# KiCad board fpgaboard.kicad_pcb (continued)
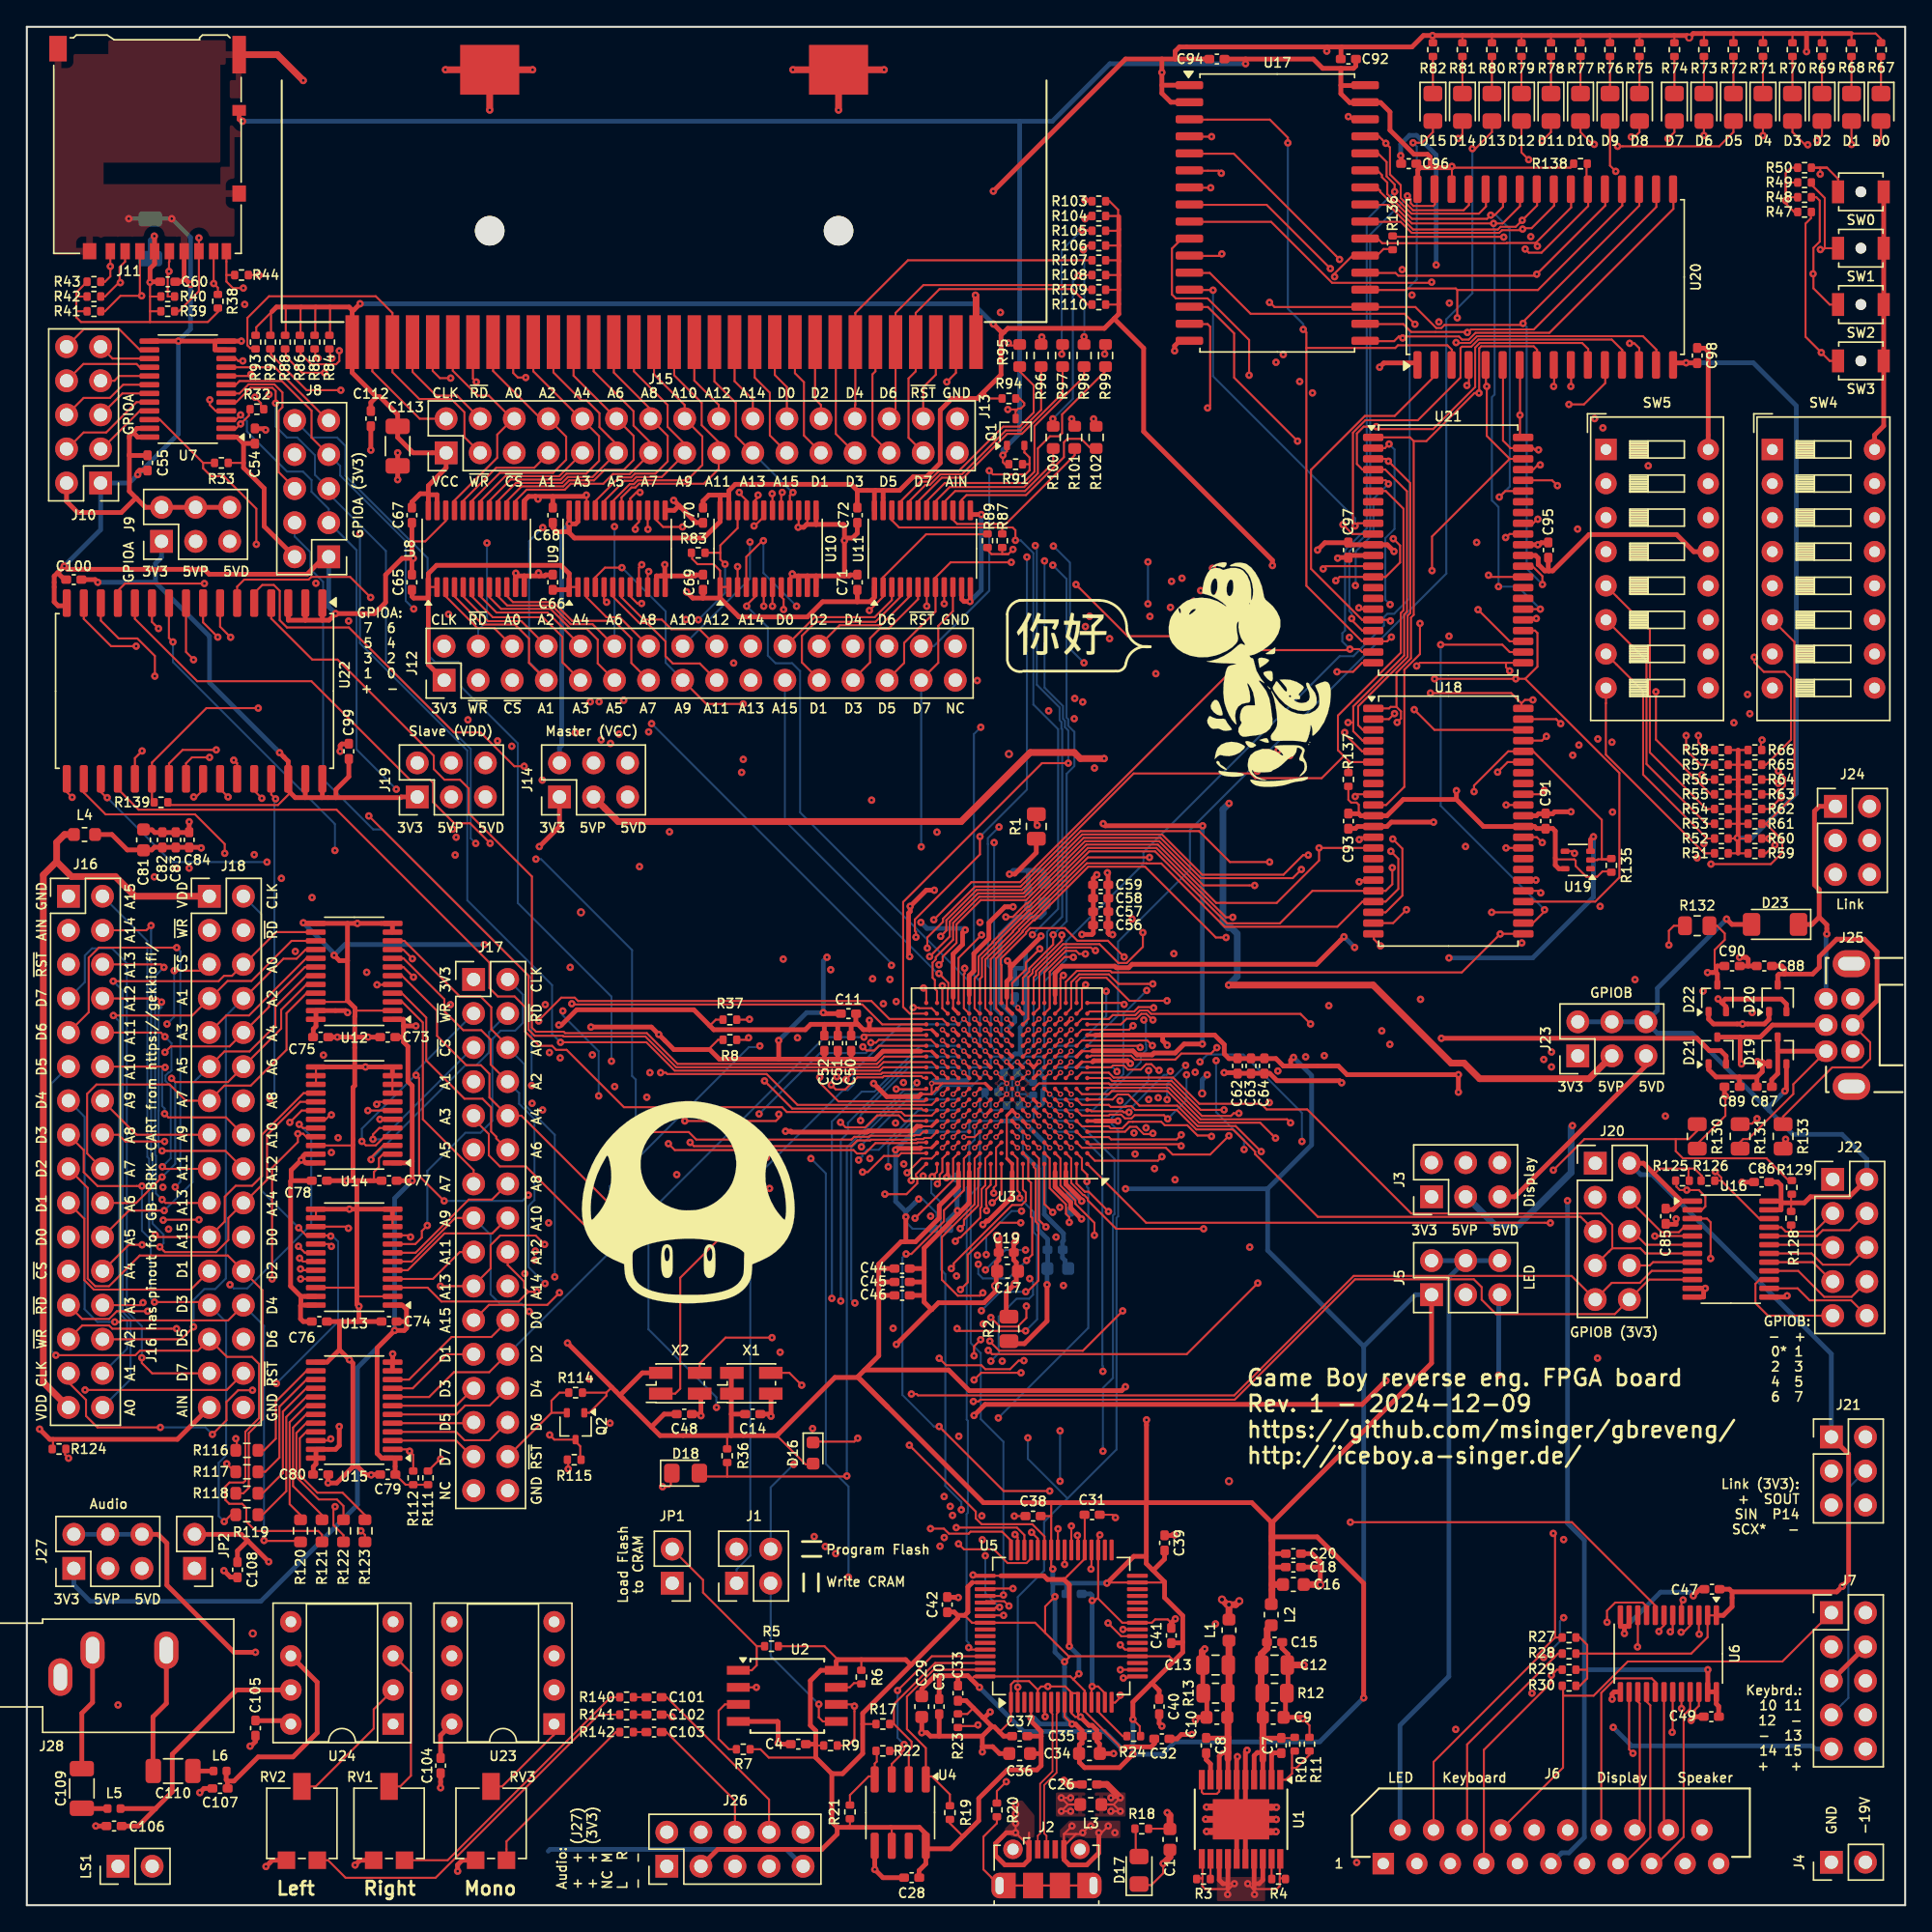
[diagram p0: board, top side]
## Routing (per net, layer and track width the routed paths; a pad name or vN(x,y) marks a point on that pad's centre or on a via; arc(x,y) is an arc through that point) (continued)
/Bank3: LEDs, Switches/LED1: length 107.4
  Top w0.15: 136,132.9 v1(136,131.23) ; U3.R1 79.2,66.61 82.53,66.61 82.86,66.94 83.93,66.94 v1(83.99,66.89)
  In1.Cu w0.15: v1(128.42,88.81) 128.42,89.58 128.7,89.86 128.7,90.49 128.3,90.9 128.3,105.91 129.62,107.23 131.65,107.23 136,111.58 v1(136,131.23)
  In2.Cu w0.15: v1(83.99,66.89) 90.46,66.89 97.46,73.89 97.68,73.89 101.89,78.1 104.34,78.1 112.46,86.22 113.76,86.22 116.35,88.81 v1(128.42,88.81)
/Bank3: LEDs, Switches/LED2: length 96.7
  Top w0.15: 133.8,132.9 133.8,131.91 v1(133.42,131.53) ; v3(76.24,64.45) U3.M5
  In2.Cu w0.15: v1(133.42,131.53) 133.42,131.15 133.01,130.73 132.28,130.73 129.85,128.3 129.85,125.19 114.13,109.47 114.13,106.85 113.61,106.32 113.32,106.04 113.32,100.87 111.75,99.29 109.68,97.22 109.68,94.39 101.54,86.25 97.5,86.25 83.62,72.37 83.62,72.27 83.07,71.72 83.07,71.11 81.85,69.88 81.21,69.88 79.34,68.01 78.2,68.01 76.64,66.45 76.64,64.85 v3(76.24,64.45)
/Bank3: LEDs, Switches/LED3: length 118.7
  Top w0.15: 131.6,132.9 131.6,132.15 132.54,131.21 v1(132.74,131.21) ; U3.P2 78.64,66.05 80.64,66.05 80.93,66.34 82.62,66.34 82.96,66.68 83.55,66.68 83.8,66.43 94.93,66.43 94.98,66.38 v1(95.68,65.68)
  In1.Cu w0.15: v1(132.74,131.21) 134.17,129.78 134.17,121.84 127.79,115.47 127.79,88.67 127.99,88.47 127.99,80.92 124.66,77.59 124.66,68.41 v1(124.94,68.14)
  In2.Cu w0.15: v1(95.68,65.68) 96.32,65.68 98.77,68.14 v1(124.94,68.14)
/Bank3: LEDs, Switches/LED4: length 95.6
  Top w0.15: v1(129.4,131.9) 129.4,132.9 ; U3.M4 v3(77.04,64.45)
  In1.Cu w0.15: v1(129.4,131.9) 120.85,123.35 v1(120.85,107.28)
  In2.Cu w0.15: v3(77.04,64.45) 77.44,64.85 78.24,64.85 84.08,70.69 84.08,71.27 98.06,85.24 102.05,85.24 110.69,93.88 110.69,96.81 114.33,100.45 114.33,104.38 117.23,107.28 v1(120.85,107.28)
/Bank3: LEDs, Switches/LED5: length 101.8
  Top w0.15: 127.2,132.9 127.2,132.15 126.15,131.1 v1(118.57,131.1) ; U3.P1 81.55,65.65 81.97,66.07 82.71,66.07 83.07,66.43 83.44,66.43 83.71,66.17 83.89,65.98 v1(83.93,65.98)
  In1.Cu w0.15: v1(115.68,86.47) 115.14,87.02 115.14,104.46 115.79,105.12 115.79,128.32 v1(118.57,131.1)
  In2.Cu w0.15: v1(115.68,86.47) 114.5,86.47 113.99,85.97 112.65,85.97 103.56,76.87 101.06,76.87 97.82,73.64 97.57,73.64 90.11,66.18 84.19,66.18 83.93,65.92 v1(83.93,65.98)
/Bank3: LEDs, Switches/LED6: length 90.6
  Top w0.15: v1(125,131.9) 125,132.9 ; U3.N3 v3(77.84,65.25)
  In1.Cu w0.15: v1(117.47,110.11) 117.47,124.37 v1(125,131.9)
  In2.Cu w0.15: v3(77.84,65.25) 78.29,65.25 83.83,70.79 83.83,71.37 97.95,85.49 101.94,85.49 110.44,93.99 110.44,96.91 114.08,100.55 114.08,104.81 115.7,106.42 115.7,108.72 117.08,110.11 v1(117.47,110.11)
/Bank3: LEDs, Switches/LED7: length 92.6
  Top w0.15: U3.L5 v3(76.24,63.65) ; v1(122.32,131.67) 122.8,132.15 122.8,132.9
  In1.Cu w0.15: v1(116.85,110.8) 117.21,111.16 117.21,126.56 v1(122.32,131.67)
  In2.Cu w0.15: v1(116.85,110.8) 114.89,108.84 114.89,105.98 113.83,104.91 113.83,100.66 110.19,97.01 110.19,94.09 101.84,85.74 97.85,85.74 83.58,71.48 83.58,70.9 81.07,68.39 80.73,68.39 v1(80.46,68.12)
  Bottom w0.15: v1(80.46,68.12) 80.46,66.27 78.24,64.05 76.64,64.05 v3(76.24,63.65)
/Bank3: LEDs, Switches/LED8: length 89.3
  Top w0.15: 120.2,132.9 120.2,132.15 119.84,131.79 v1(119.59,131.79) ; U3.M3 v3(77.84,64.45)
  In1.Cu w0.15: v1(115.59,102.57) 115.59,104.56 116.05,105.02 116.05,127.75 119.59,131.29 v1(119.59,131.79)
  In2.Cu w0.15: v1(115.59,102.57) 115.59,100.84 113.41,98.67 113.41,98.25 110.94,95.78 110.94,93.78 102.15,84.99 98.16,84.99 84.33,71.16 84.33,70.59 78.2,64.45 v3(77.84,64.45)
/Bank3: LEDs, Switches/LED9: length 91.6
  Top w0.15: v1(118.43,129.23) 118,129.66 118,132.9 ; U3.M6 v3(75.44,64.45)
  In2.Cu w0.15: v3(75.44,64.45) 75.84,64.85 75.84,66.45 79.52,70.13 80.15,70.13 83.11,73.09 83.78,73.09 97.19,86.5 101.44,86.5 106.14,91.21 109.43,94.5 109.43,97.33 113.07,100.97 113.07,106.15 113.88,106.96 113.88,109.64 120.02,115.78 120.02,127.64 v1(118.43,129.23)
/Bank3: LEDs, Switches/LED10: length 94.4
  Top w0.15: 115.8,132.9 115.8,132.15 116.71,131.24 v1(116.83,131.24) ; v1(82.45,65.55) 82.15,65.25 78.64,65.25 U3.N2
  In1.Cu w0.15: v1(116.83,131.24) 115.53,129.95 115.53,105.22 114.88,104.57 114.88,86.06 v1(115.22,85.71)
  In2.Cu w0.15: v1(115.22,85.71) 112.76,85.71 103.66,76.62 101.16,76.62 97.93,73.39 97.67,73.39 90.21,65.93 84.57,65.93 84.38,65.74 84.18,65.53 83.28,65.53 83.18,65.42 82.58,65.42 v1(82.45,65.55)
/Bank3: LEDs, Switches/LED11: length 92.7
  Top w0.15: U3.L7 v3(74.64,63.65) ; 113.6,132.9 113.6,132.15 112.94,131.49 v1(112.94,131.49)
  In2.Cu w0.15: v1(75.16,101.34) 75.44,101.61 101.23,127.4 101.23,127.63 105.73,132.13 112.3,132.13 v1(112.94,131.49)
  Bottom w0.15: v1(75.16,101.34) 75.28,101.22 75.28,90.97 76.98,89.27 76.98,88.32 77.12,88.18 77.12,87.7 77.17,87.65 77.17,73.67 76.04,72.54 76.04,69.85 75.04,68.85 75.04,64.05 v3(74.64,63.65)
/Bank3: LEDs, Switches/LED12: length 99.6
  Top w0.15: 111.4,132.9 111.4,130.64 v1(111.94,130.1) ; U3.M2 78.64,64.45 83.51,64.45 v1(83.89,64.07)
  In1.Cu w0.15: v1(112.09,124.36) 111.7,124.36 110.84,123.5 110.84,110.87 111.18,110.54 111.18,94.58 111.43,94.33 v1(111.43,71.72)
  In2.Cu w0.15: v1(111.43,71.72) 109.86,70.15 97.37,70.15 91.57,64.35 89.01,64.35 88.95,64.41 88.53,64.41 87.77,63.65 87.22,63.65 87.14,63.57 84.39,63.57 v1(83.89,64.07) ; v1(112.09,124.36) 112.09,129.56 111.94,129.71 v1(111.94,130.1)
/Bank3: LEDs, Switches/LED13: length 85.3
  Top w0.15: 109.2,132.9 109.2,132.15 107.97,130.92 v1(107.74,130.92) ; v3(76.24,62.85) U3.K5
  Bottom w0.15: v1(107.74,130.92) 107.74,120.15 105.8,118.2 105.8,99.25 86.69,80.14 86.69,77.17 81.33,71.82 81.33,66.34 78.24,63.25 76.64,63.25 v3(76.24,62.85)
/Bank3: LEDs, Switches/LED14: length 93.5
  Top w0.15: U3.L3 v3(77.84,63.65) ; v1(106.68,131.67) 107,131.99 107,132.9
  In1.Cu w0.15: v1(103.24,120.01) 103.51,120.28 103.51,128.5 v1(106.68,131.67) ; v1(105.24,118) 105.24,105.34 107.23,103.36 v1(107.23,78.91)
  In2.Cu w0.15: v3(77.84,63.65) 80.64,63.65 81.91,64.92 82.95,64.92 83.21,65.17 83.28,65.17 83.39,65.28 84.28,65.28 84.68,65.67 90.32,65.67 97.78,73.14 98.03,73.14 101.26,76.37 104.69,76.37 v1(107.23,78.91) ; v1(103.24,120.01) v1(105.24,118)
/Bank3: LEDs, Switches/LED15: length 83.7
  Top w0.15: 104.8,132.9 104.8,132.15 104.01,131.36 v1(103.32,131.36) ; U3.L6 v3(75.44,63.65)
  Bottom w0.15: v1(103.32,131.36) 103.59,131.09 103.59,121.16 103.32,120.88 102.79,120.35 102.79,117.58 103.06,117.3 103.06,97.41 101.91,96.25 101.4,96.25 101.15,96 101.15,95.36 98.88,93.09 97.85,93.09 83.22,78.47 83.22,77.6 77.46,71.83 77.46,70.47 75.84,68.85 75.84,64.05 v3(75.44,63.65)
/Bank3: LEDs, Switches/SW0: length 110.7
  Top w0.15: U3.M1 82.87,64.05 v1(82.99,63.93) ; SW0.1 135,128.67 134.17,129.5 ; 133.64,129.5 133.14,129.5 ; 133.64,129.5 133.67,129.47 v1(133.67,129.02) ; 133.64,129.5 134.17,129.5 ; 133.14,129.5 132.95,129.5 ; 133.14,129.5 134.17,129.5
  In1.Cu w0.15: v1(124.99,79.12) 126.62,80.75 126.62,121.44 133.67,128.49 v1(133.67,129.02)
  In2.Cu w0.15: 84.92,64.64 84.92,64.64 ; 84.92,64.64 84.92,64.64 84.8,64.52 83.7,64.52 83.59,64.41 83.52,64.41 83.04,63.93 v1(82.99,63.93) ; 84.92,64.64 88.3,64.64 88.32,64.66 91.52,64.66 101.66,74.8 116.56,74.8 120.88,79.12 v1(124.99,79.12)
/Bank3: LEDs, Switches/SW1: length 106.6
  Top w0.15: U3.K4 v3(77.04,62.85) ; 134.01,123.5 134.01,127.24 132.95,128.3 132.95,128.4 ; 134.01,123.5 SW1.1 ; 134.01,123.5 133.91,123.4 v1(133.68,123.4)
  In1.Cu w0.15: v1(133.68,123.4) 127.23,116.95 v1(127.23,88.13)
  In2.Cu w0.15: v3(77.04,62.85) 77.44,63.25 80.64,63.25 82.05,64.66 83.06,64.66 83.31,64.92 83.38,64.92 83.49,65.03 84.51,65.03 84.64,65.16 90.16,65.16 97.88,72.88 98.14,72.88 101.37,76.12 106.87,76.12 116.61,85.85 116.61,87.09 117.64,88.13 v1(127.23,88.13)
/Bank3: LEDs, Switches/SW2: length 109.3
  Top w0.15: SW2.1 134.37,119.3 133.16,120.51 133.16,121.79 ; v1(133.13,121.59) 133.13,121.76 133.16,121.79 ; 133.16,121.79 133.16,123.52 133.63,123.99 133.63,127.04 133.38,127.3 132.95,127.3 ; v1(88.7,63.91) 88.26,63.47 86.05,63.47 85.6,63.03 82.6,63.03 82.31,63.32 79.34,63.32 79.27,63.25 U3.L1
  In1.Cu w0.15: v1(133.13,121.59) 127.52,115.97 127.52,88.59 127.74,88.37 127.74,81.21 124.86,78.33 124.76,78.33 v1(124.49,78.05)
  In2.Cu w0.15: v1(88.7,63.91) 91.49,63.91 97.48,69.9 112.02,69.9 120.18,78.05 v1(124.49,78.05)
/Bank3: LEDs, Switches/SW3: length 95.1
  Top w0.15: SW3.1 134.37,115.1 v1(133.75,115.72) 132.57,116.9 132.57,125.33 132.98,125.74 132.98,126.17 132.95,126.2 ; U3.L4 v3(77.04,63.65)
  In2.Cu w0.15: v1(133.75,115.72) 129.95,115.72 122.49,108.26 122.49,106.32 118.26,102.1 117.2,102.1 113.67,98.57 113.67,96.15 102.26,84.74 98.26,84.74 84.58,71.06 84.58,70.48 82.6,68.5 82.6,67.25 79.4,64.05 77.44,64.05 v3(77.04,63.65)
/Cartridge Master Slot/X_M_AIN: length 9.3
  Top w0.15: J15.31 69.25,114.21 v1(68.57,113.53)
  In1.Cu w0.15: J13.31 68.03,109.57 68.03,112.99 v1(68.57,113.53)
/Cartridge Master Slot/X_MA0: length 16.9
  Top w0.15: 35.82,110.79 35.82,111.13 34.44,112.51 33.6,112.51 31.75,114.36 J15.6 ; 35.82,110.79 35.82,110.36 35.06,109.6 35.06,107.89 31.88,104.7 31.88,103.95 ; 35.82,110.79 J13.6
/Cartridge Master Slot/X_MA1: length 20.4
  Top w0.15: J15.7 33.25,113.78 v1(33.5,113.53) ; J13.7 38.87,108.19 37.82,107.14 34.98,107.14 32.53,104.68 32.53,103.95
  In2.Cu w0.15: J13.7 37.62,109.5 37.62,111.46 35.55,113.53 v1(33.5,113.53)
/Cartridge Master Slot/X_MA2: length 20.4
  Top w0.15: J15.8 34.75,114.35 38.31,110.79 J13.8 38.87,110.78 40.2,109.46 40.2,107.73 39.22,106.76 35.26,106.76 33.17,104.68 33.17,103.95
/Cartridge Master Slot/X_MA3: length 20.8
  Top w0.15: J15.9 36.25,114.2 36.59,113.86 v1(37.19,113.86) ; 33.83,103.95 33.83,104.68 35.66,106.51 39.67,106.51 41.41,108.24 J13.9
  In1.Cu w0.15: v1(37.19,113.86) 37.58,113.86 40.19,111.24 40.19,109.47 J13.9
/Cartridge Master Slot/X_MA4: length 21.1
  Top w0.15: 34.47,103.95 34.47,104.68 36.05,106.26 39.78,106.26 40.22,106.7 41.7,106.7 42.65,107.65 42.65,109.49 41.41,110.73 J13.10 41.28,110.79 37.75,114.32 J15.10
/Cartridge Master Slot/X_MA5: length 22.1
  Top w0.15: 43.95,108.89 43.95,108.23 42.17,106.45 40.33,106.45 39.88,106 36.45,106 35.12,104.68 35.12,103.95 ; 43.95,108.89 J13.11 ; 43.95,108.89 42.68,110.16 42.68,111.2 41.73,112.15 41.35,112.15 39.25,114.25 J15.11
/Cartridge Master Slot/X_MA6: length 22.1
  Top w0.15: 35.78,103.95 35.78,104.65 36.88,105.75 39.99,105.75 40.43,106.2 42.28,106.2 43.06,106.98 44.49,106.98 45.23,107.72 45.23,109.51 J13.12 43.95,110.8 40.75,114 J15.12
/Cartridge Master Slot/X_MA7: length 22.8
  Top w0.15: 46.49,108.76 46.49,108.22 44.94,106.67 43.69,106.67 42.97,105.95 40.54,105.95 40.09,105.5 37.25,105.5 36.42,104.68 36.42,103.95 ; 46.49,108.76 J13.13 ; 46.49,108.76 46.49,109.01 45.22,110.28 45.22,111.35 42.25,114.32 J15.13
/Cartridge Master Slot/X_MA8: length 17.9
  Top w0.15: 42.38,103.95 42.38,104.65 44.14,106.42 45.04,106.42 45.32,106.7 46.85,106.7 47.76,107.61 47.76,109.52 J13.14 46.49,111.49 43.75,114.23 J15.14
/Cartridge Master Slot/X_MA9: length 18.6
  Top w0.15: 43.03,103.95 43.03,104.65 44.54,106.17 45.15,106.17 45.43,106.45 47.33,106.45 49.03,108.15 49.03,108.76 ; J13.15 49.03,108.76 ; 49.03,108.76 49.03,108.92 47.76,110.19 47.76,111.81 45.25,114.32 J15.15
/Cartridge Master Slot/X_MA10: length 19.1
  Top w0.15: 43.67,103.95 43.67,104.65 44.94,105.91 45.25,105.91 45.53,106.2 49.2,106.2 50.35,107.34 50.35,109.47 J13.16 49.03,111.82 46.75,114.1 J15.16
/Cartridge Master Slot/X_MA11: length 19.9
  Top w0.15: J15.17 48.25,114.03 50.3,111.98 50.3,110.31 51.57,109.04 J13.17 51.57,107.05 50.47,105.95 45.64,105.95 45.35,105.66 45.06,105.66 44.33,104.92 44.33,103.95
/Cartridge Master Slot/X_MA12: length 17.5
  Top w0.15: v1(45.7,105.3) 45.43,105.3 44.97,104.84 44.97,103.95 ; J13.18 51.57,111.82 49.75,113.64 J15.18
  In2.Cu w0.15: J13.18 51.57,110.74 50.33,109.5 50.33,107.72 48.71,106.1 46.5,106.1 v1(45.7,105.3)
/Cartridge Master Slot/X_MA13: length 55.1
  Top w0.15: J15.19 51.25,113.57 52.84,111.98 52.84,109.5 54.09,108.25 J13.19 ; 56.88,103.95 56.88,105.08 v1(57.1,105.3) ; v1(22.19,114.21) 20.52,114.21 19.3,115.44 19.3,116.05
  In2.Cu w0.15: v1(22.19,114.21) 23.14,114.21 24.05,113.3 31.82,113.3 32.57,114.05 36.2,114.05 36.89,113.37 50.74,113.37 52.83,111.28 52.83,109.53 J13.19
  Bottom w0.15: v1(57.1,105.3) 56.97,105.43 56.93,105.43 J13.19
/Cartridge Master Slot/X_MA14: length 51.5
  Top w0.15: v1(23.29,115.86) 23.29,115.09 23.05,114.85 21.2,114.85 20.4,115.65 20.4,116.05 ; J13.20 54.11,112.23 52.75,113.59 J15.20 ; v1(56.3,105.3) 56.22,105.22 56.22,103.95
  In2.Cu w0.15: v1(23.29,115.86) 49.04,115.86 J13.20 54.96,109.94 54.96,109.45 55.39,109.02 55.39,106.21 v1(56.3,105.3)
/Cartridge Master Slot/X_MA15: length 54.7
  Top w0.15: J13.21 56.65,108.28 55.38,109.55 55.38,112.73 54.25,113.86 J15.21 ; v1(55.55,105.2) 55.58,105.18 55.58,103.95 ; v1(21.7,115.3) 21.5,115.5 21.5,116.05
  In1.Cu w0.15: J13.21 56.64,108.25 55.55,107.16 v1(55.55,105.2)
  In2.Cu w0.15: v1(21.7,115.3) 21.7,115.32 22.7,116.31 50.55,116.31 55.43,111.43 55.43,109.47 J13.21
/Cartridge Master Slot/X_MCLK: length 32.5
  Top w0.15: v1(45.35,102.55) 45.35,102.83 45.62,103.11 45.62,103.95 ; J13.2 29.28,110.79 25.75,114.32 J15.2
  In2.Cu w0.15: J13.2 31.25,110.79 29.86,109.4 29.86,107.22 34.86,102.23 45.03,102.23 v1(45.35,102.55)
/Cartridge Master Slot/X_MD0: length 39.5
  Top w0.15: 79.45,127 79.07,127 78.99,127.08 v1(78.85,127.08) ; J13.22 56.65,113.15 55.75,114.05 J15.22 ; v1(73.16,116.44) 73.19,116.44 73.37,116.25 74,116.25
  In2.Cu w0.15: v1(78.85,127.08) 73.16,121.39 v1(73.16,116.44) 62.29,116.44 56.65,110.8 J13.22
/Cartridge Master Slot/X_MD1: length 44.3
  Top w0.15: J15.23 57.25,114.19 57.92,113.52 57.92,109.54 59.19,108.27 J13.23 ; 75.6,116.25 75.6,116.68 75.65,116.73 v1(75.65,116.88) ; v1(78.87,125.69) 79.07,125.9 79.45,125.9
  In2.Cu w0.15: v1(78.87,125.69) 78.77,125.69 75.65,122.57 v1(75.65,116.88) 74.62,115.86 62.33,115.86 57.94,111.46 57.94,109.5 J13.23
/Cartridge Master Slot/X_MD2: length 37.2
  Top w0.15: v1(77.14,115.61) 77.2,115.67 77.2,116.25 ; v1(78.63,124.84) 79.03,124.84 79.07,124.8 79.45,124.8 ; J13.24 59.19,111.82 58.75,112.26 J15.24
  In2.Cu w0.15: J13.24 59.19,110.83 63.97,115.61 v1(77.14,115.61)
  Bottom w0.15: v1(77.14,115.61) 77.14,123.35 v1(78.63,124.84)
/Cartridge Master Slot/X_MD3: length 41.5
  Top w0.15: v1(78.75,123.38) 79.07,123.7 79.45,123.7 ; J13.25 61.71,108.25 60.3,109.66 60.3,116.45 J15.25 ; v1(78.8,116.9) 78.8,116.25
  In2.Cu w0.15: J13.25 60.47,109.51 60.47,111.59 61.84,112.96 75.25,112.96 78.8,116.51 v1(78.8,116.9)
  Bottom w0.15: v1(78.8,116.9) 78.82,116.92 78.82,123.31 v1(78.75,123.38)
/Cartridge Master Slot/X_MD4: length 48.5
  Top w0.15: v1(80.33,115.61) 80.4,115.68 80.4,116.25 ; 79.45,122.6 65.67,122.6 61.75,118.68 J15.26 61.75,111.84 61.73,111.82 J13.26
  In2.Cu w0.15: J13.26 61.73,110.83 63.51,112.61 77.34,112.61 v1(80.33,115.61)
/Cartridge Master Slot/X_MD5: length 35.3
  Top w0.15: J13.27 64.27,108.27 63.03,109.51 63.03,114.1 63.25,114.32 J15.27 ; 76.5,110.15 76.5,110.76 v1(76.47,110.79) ; 79.45,121.5 78.42,121.5 v1(78.37,121.45)
  In2.Cu w0.15: J13.27 65.67,109.65 75.33,109.65 v1(76.47,110.79)
  Bottom w0.15: v1(76.47,110.79) 77.96,112.28 77.96,121.05 v1(78.37,121.45)
/Cartridge Master Slot/X_MD6: length 39.4
  Top w0.15: J13.28 64.27,111.06 64.75,111.54 J15.28 64.75,118.68 66.83,120.75 78.72,120.75 79.07,120.4 79.45,120.4 ; v1(77.88,110.78) 78.08,110.58 78.1,110.58 78.1,110.15
  In2.Cu w0.15: v1(77.88,110.78) 76.37,112.29 65.77,112.29 J13.28
/Cartridge Master Slot/X_MD7: length 40
  Top w0.15: 79.45,119.3 79.07,119.3 77.92,120.45 68.03,120.45 66.25,118.68 J15.29 66.25,114.32 65.72,113.79 65.72,109.37 66.81,108.28 J13.29 ; v1(79.51,110.78) 79.7,110.59 79.7,110.15
  In2.Cu w0.15: v1(79.51,110.78) 78.13,109.4 67.91,109.4 66.81,108.29 J13.29
/Cartridge Master Slot/X_~{MCS}: length 47.7
  Top w0.15: 22.6,116.05 22.6,115.44 v1(22.74,115.3) ; 54.92,103.95 54.92,103.48 54.24,102.8 v1(54.2,102.8) ; v1(31.59,113.82) 30.79,113.82 30.25,114.36 J15.5
  In1.Cu w0.15: J13.5 35.09,109.49 35.09,111.16 32.43,113.82 v1(31.59,113.82)
  In2.Cu w0.15: v1(54.2,102.8) 55,103.6 55,105.39 54.79,105.6 54.3,105.6 52.64,103.94 40.59,103.94 36.33,108.2 J13.5 ; v1(31.59,113.82) 24.22,113.82 v1(22.74,115.3)
/Cartridge Master Slot/X_~{MRD}: length 51.4
  Top w0.15: 18.2,116.05 18.2,115.57 20.86,112.92 v1(23.4,112.92) ; J15.4 28.75,114.28 30.52,112.51 32.07,112.51 J13.4 ; v1(53.1,105.3) 53.1,105.24 53.62,104.71 53.62,103.95
  In2.Cu w0.15: v1(53.1,105.3) 51.99,104.19 41.16,104.19 37.61,107.75 37.61,108.8 36.87,109.54 35.09,109.54 33.84,110.79 J13.4 31.66,112.92 v1(23.4,112.92)
/Cartridge Master Slot/X_~{MRST}: length 16.2
  Top w0.15: J13.30 66.81,113.14 67.75,114.08 J15.30 ; 73.79,111.45 73.76,111.48 v1(73.12,111.48) ; 73.79,111.45 73.89,111.55 74.09,111.55 74.34,111.8 74.34,111.96 74,112.3 73.65,112.3 ; 73.79,111.45 73.7,111.36 Q1.3
  In2.Cu w0.15: J13.30 68.05,112.03 72.56,112.03 v1(73.12,111.48)
/Cartridge Master Slot/X_~{MWR}: length 54.3
  Top w0.15: v1(54.5,105.1) 54.44,105.04 54.44,104.87 54.28,104.71 54.28,103.95 ; J13.3 32.62,109.42 32.62,111.28 31.63,112.26 29.25,112.26 27.25,114.26 J15.3 27.25,118.68 26.01,119.92 18.05,119.92 16.44,118.31 16.44,116.26 16.65,116.05 17.1,116.05
  In2.Cu w0.15: J13.3 33.79,107.22 37.32,103.69 53.09,103.69 v1(54.5,105.1)
/Cartridge Slave Slot/X_S_AIN: length 52.7
  Top w0.15: 1.95,34 1.95,34.72
  Top w0.35: v1(0.95,35.48) 1.71,34.72 11.22,34.72 J18.31
  In2.Cu w0.35: v1(0.95,35.48) 0.95,70.51 J16.3
/Cartridge Slave Slot/X_SA0: length 49.8
  Top w0.15: 21.55,72.53 18.58,72.53 16.18,70.12 J18.6 15.29,69.27 14.7,69.27 14.3,68.87 v1(6.44,68.87)
  Bottom w0.15: J16.32 7.73,39.19 7.73,43.63 7.14,44.23 7.14,68.17 v1(6.44,68.87)
/Cartridge Slave Slot/X_SA1: length 45.3
  Top w0.15: v1(6.45,66.31) 12.33,66.31 J18.7 13.66,67.58 14.96,68.88 16.74,68.88 19.73,71.88 21.55,71.88
  Bottom w0.15: v1(6.45,66.31) 6.89,65.87 6.89,44.12 7.48,43.53 7.48,41.48 J16.30
/Cartridge Slave Slot/X_SA2: length 40.6
  Top w0.15: J18.8 16.16,67.58 19.13,70.54 20.1,70.54 20.79,71.22 21.55,71.22 ; J16.28 11.5,42.18 v1(12.43,43.1)
  Bottom w0.15: J18.8 14.83,66.27 14.83,46.71 14.04,45.92 13.23,45.92 12.43,45.11 v1(12.43,43.1)
/Cartridge Slave Slot/X_SA3: length 36
  Top w0.15: J16.26 8.47,44.72 v1(8.66,44.91) ; 21.55,70.58 20.82,70.58 16.56,66.31 14.87,66.31 J18.9
  In2.Cu w0.15: J18.9 12.75,64.19 12.71,64.19 9.63,61.11 9.63,50.55 10.02,50.16 10.02,49.73 9.78,49.5 9.57,49.5 8.66,48.58 v1(8.66,44.91)
/Cartridge Slave Slot/X_SA4: length 32.9
  Top w0.15: 21.55,69.92 20.73,69.92 18.05,67.25 18.05,66.95 J18.10 15.11,64.01 10.73,64.01 v1(10.29,63.57) ; J16.24 7.6,49.22 v1(8.59,49.22)
  In2.Cu w0.15: v1(8.59,49.22) 8.59,49.61 9.31,50.33 9.31,62.59 v1(10.29,63.57)
/Cartridge Slave Slot/X_SA5: length 29.1
  Top w0.15: 21.55,69.28 20.84,69.28 18.52,66.96 18.52,65.56 16.6,63.63 14.73,63.63 J18.11 ; v1(10.24,51.77) 7.61,51.77 J16.22
  Bottom w0.15: v1(10.24,51.77) 12.36,53.89 12.36,61.26 J18.11
/Cartridge Slave Slot/X_SA6: length 27.8
  Top w0.15: 21.55,68.62 20.85,68.62 18.96,66.73 18.96,65.34 16.12,62.5 ; J18.12 14.99,61.35 11.06,61.35 v1(10.79,61.62) ; J16.20 8.15,52.34 v1(10.08,54.27)
  Bottom w0.15: v1(10.79,61.62) 11.06,61.35 11.06,55.25 v1(10.08,54.27)
/Cartridge Slave Slot/X_SA7: length 28.8
  Top w0.15: J16.18 4.49,56.03 4.49,60.47 5.19,61.16 10.65,61.16 11.85,59.96 J18.13 14.73,61.09 16.69,61.09 19.36,63.75 19.36,66.48 20.85,67.97 21.55,67.97
/Cartridge Slave Slot/X_SA8: length 26.8
  Top w0.15: v1(22.7,49.1) 22.53,49.28 21.55,49.28 ; v1(10.27,56.92) 7.34,56.92 6.84,57.42 J16.16
  In1.Cu w0.15: J18.14 19.8,56.3 19.8,51.89 22.59,49.1 v1(22.7,49.1)
  In2.Cu w0.15: v1(10.27,56.92) 12.17,58.82 15,58.82 J18.14
/Cartridge Slave Slot/X_SA9: length 22.1
  Top w0.15: 21.55,48.62 20.73,48.62 v1(20.25,49.1) ; J16.14 8.18,57.42 J18.15
  In2.Cu w0.15: J18.15 14.88,56.14 14.88,54.19 15.46,53.61 16.33,53.61 20.25,49.7 v1(20.25,49.1)
/Cartridge Slave Slot/X_SA10: length 27.1
  Top w0.15: J18.16 14.84,58.72 10.54,58.72 v1(10.27,58.99) ; J16.12 10.25,62.5 v1(10.3,62.44) ; 21.55,47.97 20.58,47.97 v1(20.33,48.22)
  In1.Cu w0.15: v1(20.33,48.22) 19.04,49.51 19.04,54.52 J18.16
  Bottom w0.15: v1(10.27,58.99) 10.27,59.38 10.08,59.57 10.08,62.22 v1(10.3,62.44)
/Cartridge Slave Slot/X_SA11: length 31.1
  Top w0.15: v1(10.1,55.04) 10.26,54.88 J18.17 ; 21.55,47.33 20.5,47.33 v1(20.4,47.42) ; J16.10 9.98,65.04 v1(10.29,64.73)
  In2.Cu w0.15: J18.17 14.81,53.67 14.81,51.78 15.52,51.07 16.67,51.07 20.32,47.42 v1(20.4,47.42)
  Bottom w0.15: v1(10.29,64.73) 10.78,64.24 10.78,62.22 10.64,62.08 10.57,62.08 10.33,61.84 10.33,61.44 10.72,61.05 10.72,55.66 v1(10.1,55.04)
/Cartridge Slave Slot/X_SA12: length 33.6
  Top w0.15: v1(10.04,67.31) 9.77,67.58 J16.8 ; J18.18 14.8,56.22 v1(10.08,56.22) ; 21.55,46.67 v1(20.41,46.67)
  In1.Cu w0.15: 16.14,54.84 J18.18 16.14,54.86 18.44,52.56 18.44,48.65 v1(20.41,46.67)
  Bottom w0.15: v1(10.04,67.31) 10.04,66.92 9.83,66.71 9.83,59.22 9.82,59.21 9.82,56.48 v1(10.08,56.22)
/Cartridge Slave Slot/X_SA13: length 42.2
  Top w0.15: J18.19 10.33,52.34 v1(10.08,52.59) ; v1(10.22,69.9) 10,70.12 J16.6 ; 21.55,59.22 20.48,59.22 v1(19.6,58.35)
  In2.Cu w0.15: J18.19 12.25,53.69 12.25,57.91 12.91,58.57 19.23,58.57 19.46,58.35 v1(19.6,58.35)
  Bottom w0.15: v1(10.22,69.9) 9.57,69.25 9.57,55.9 9.62,55.85 9.62,53.05 v1(10.08,52.59)
/Cartridge Slave Slot/X_SA14: length 47.6
  Top w0.15: 21.55,59.88 20.38,59.88 17.9,57.4 17.9,54.07 16.18,52.34 J18.20 15.02,51.22 15.02,49.58 14.11,48.68 10.3,48.68 v1(9.91,49.06) ; v1(9.26,73.02) 8.9,72.66 J16.4
  Bottom w0.15: v1(9.91,49.06) 10.19,49.34 10.19,49.99 9.37,50.81 9.37,55.74 9.26,55.85 v1(9.26,73.02)
/Cartridge Slave Slot/X_SA15: length 46.3
  Top w0.15: v1(9.57,49.95) 9.71,49.8 J18.21 13.6,49.81 14.75,50.96 14.75,52.81 15.57,53.62 16.79,53.62 17.53,54.36 17.53,57.43 20.62,60.53 21.55,60.53
  Bottom w0.15: v1(9.57,49.95) 9.12,50.4 9.12,55.64 8.98,55.78 8.98,71.87 5.65,75.2 J16.2
/Cartridge Slave Slot/X_SCLK: length 63.1
  Top w0.15: J16.29 3.1,38.97 4.41,37.66 4.41,36.46 5.26,35.61 v1(9.95,35.61) ; v1(20.26,50.49) 20.82,49.92 22.59,49.92 v1(22.65,49.87) ; v1(16.82,38.38) 15.75,38.38 14.88,37.51 14.88,36.14 v1(13.83,35.09)
  In2.Cu w0.15: v1(18.6,38.88) 18.1,38.38 v1(16.82,38.38)
  Bottom w0.15: v1(20.26,50.49) 17.49,53.26 17.49,73.86 16.15,75.2 J18.2 ; v1(13.83,35.09) 13.31,35.61 v1(9.95,35.61) ; v1(18.6,38.88) 23.2,43.48 23.2,49.46 22.79,49.87 v1(22.65,49.87)
/Cartridge Slave Slot/X_SD0: length 32.5
  Top w0.15: v1(10.16,51.05) 10.2,51.09 v1(12.83,51.09) ; 15.65,33.9 15.65,34.7 v1(15.58,34.77)
  In1.Cu w0.15: v1(10.16,51.05) 4.35,51.05 J16.21 ; v1(15.58,34.77) 14.99,35.36 14.99,45.42 15.57,46 16.75,46 17.4,46.66 17.4,48.53 16.14,49.79 J18.22
  In2.Cu w0.15: v1(12.83,51.09) 14.85,51.09 J18.22
/Cartridge Slave Slot/X_SD1: length 32.3
  Top w0.15: 15.65,32.3 15.5,32.3 v1(14.9,32.9) ; J18.23 12.22,45.88 4.99,45.88 4.29,46.59 4.29,51.15 J16.19
  In1.Cu w0.15: v1(14.9,32.9) 14.65,33.15 14.65,46.21 J18.23
/Cartridge Slave Slot/X_SD2: length 40.4
  Top w0.15: J16.17 3.12,54.88 4.54,53.46 4.54,46.69 5.09,46.13 6.13,46.13 8.41,48.42 14.98,48.42 J18.24 17.56,45.84 17.56,36.2 16.54,35.18 16.54,31.1 16.14,30.7 R118.1
/Cartridge Slave Slot/X_SD3: length 39.5
  Top w0.15: J18.25 13.37,44.95 v1(9.51,44.95) ; J16.15 4.24,56.28 4.24,54.63 5.27,53.6 v1(8.58,53.6) ; 15.65,29.1 15.22,29.1 v1(14.71,28.59)
  Bottom w0.15: 13.6,44.74 J18.25 13.6,44.71 14.85,43.46 14.85,33.52 14.3,32.97 14.3,29 v1(14.71,28.59) ; v1(9.51,44.95) 9.24,45.22 9.24,49.61 8.58,50.26 v1(8.58,53.6)
/Cartridge Slave Slot/X_SD4: length 49.7
  Top w0.15: J18.26 15,43.58 7.06,43.58 6.94,43.47 v1(6.55,43.47) ; 20.4,27.15 17.71,27.15 v1(17.68,27.18)
  Bottom w0.15: v1(17.68,27.18) 17.68,43.18 J18.26 ; v1(6.55,43.47) 5.25,43.47 4.3,44.42 4.3,58.76 J16.13
/Cartridge Slave Slot/X_SD5: length 59.8
  Top w0.15: R121.1 22,27.61 21.72,27.89 17.06,27.89 16.36,28.59 16.36,29.61 16.05,29.92 15.08,29.92 14.8,30.2 14.8,31.2 15.1,31.5 16.15,31.5 16.29,31.64 16.29,35.29 17.31,36.31 17.31,40.34 16.78,40.87 14.91,40.87 J18.27 12.75,41.33 8.43,41.33 8.09,40.99 v1(2.16,40.99)
  Bottom w0.15: J16.11 1.85,61.25 1.85,41.3 v1(2.16,40.99)
/Cartridge Slave Slot/X_SD6: length 66.2
  Top w0.15: 23.6,27.15 23.6,27.58 22.85,28.33 22.85,29.58 v1(22.97,29.7) ; J16.9 4.61,66.55 4.61,70.61 5.37,71.37 v1(11.17,71.37)
  In1.Cu w0.15: v1(22.97,29.7) 23.25,29.98 23.25,35.07 J18.28
  In2.Cu w0.15: v1(11.06,53.53) 11.34,53.25 11.34,50.25 13.16,48.43 16.71,48.43 17.38,47.76 17.38,43.42 J18.28
  Bottom w0.15: v1(11.06,53.53) 11.44,53.91 11.44,71.1 v1(11.17,71.37)
/Cartridge Slave Slot/X_SD7: length 61.2
  Top w0.15: 25.2,27.15 25.2,27.6 v1(24.9,27.9) ; J18.29 9.34,39.64 8.57,40.41 v1(8.57,40.8)
  In2.Cu w0.15: J18.29 13.6,39.57 14.86,38.31 14.86,36.56 23.52,27.9 v1(24.9,27.9)
  Bottom w0.15: v1(8.57,40.8) 8.57,43.15 7.45,44.27 7.45,70.22 6.36,71.31 4.86,71.31 4.32,70.77 4.32,68.8 J16.7
